# KiCad board corne-chocolate.kicad_pcb (continued)
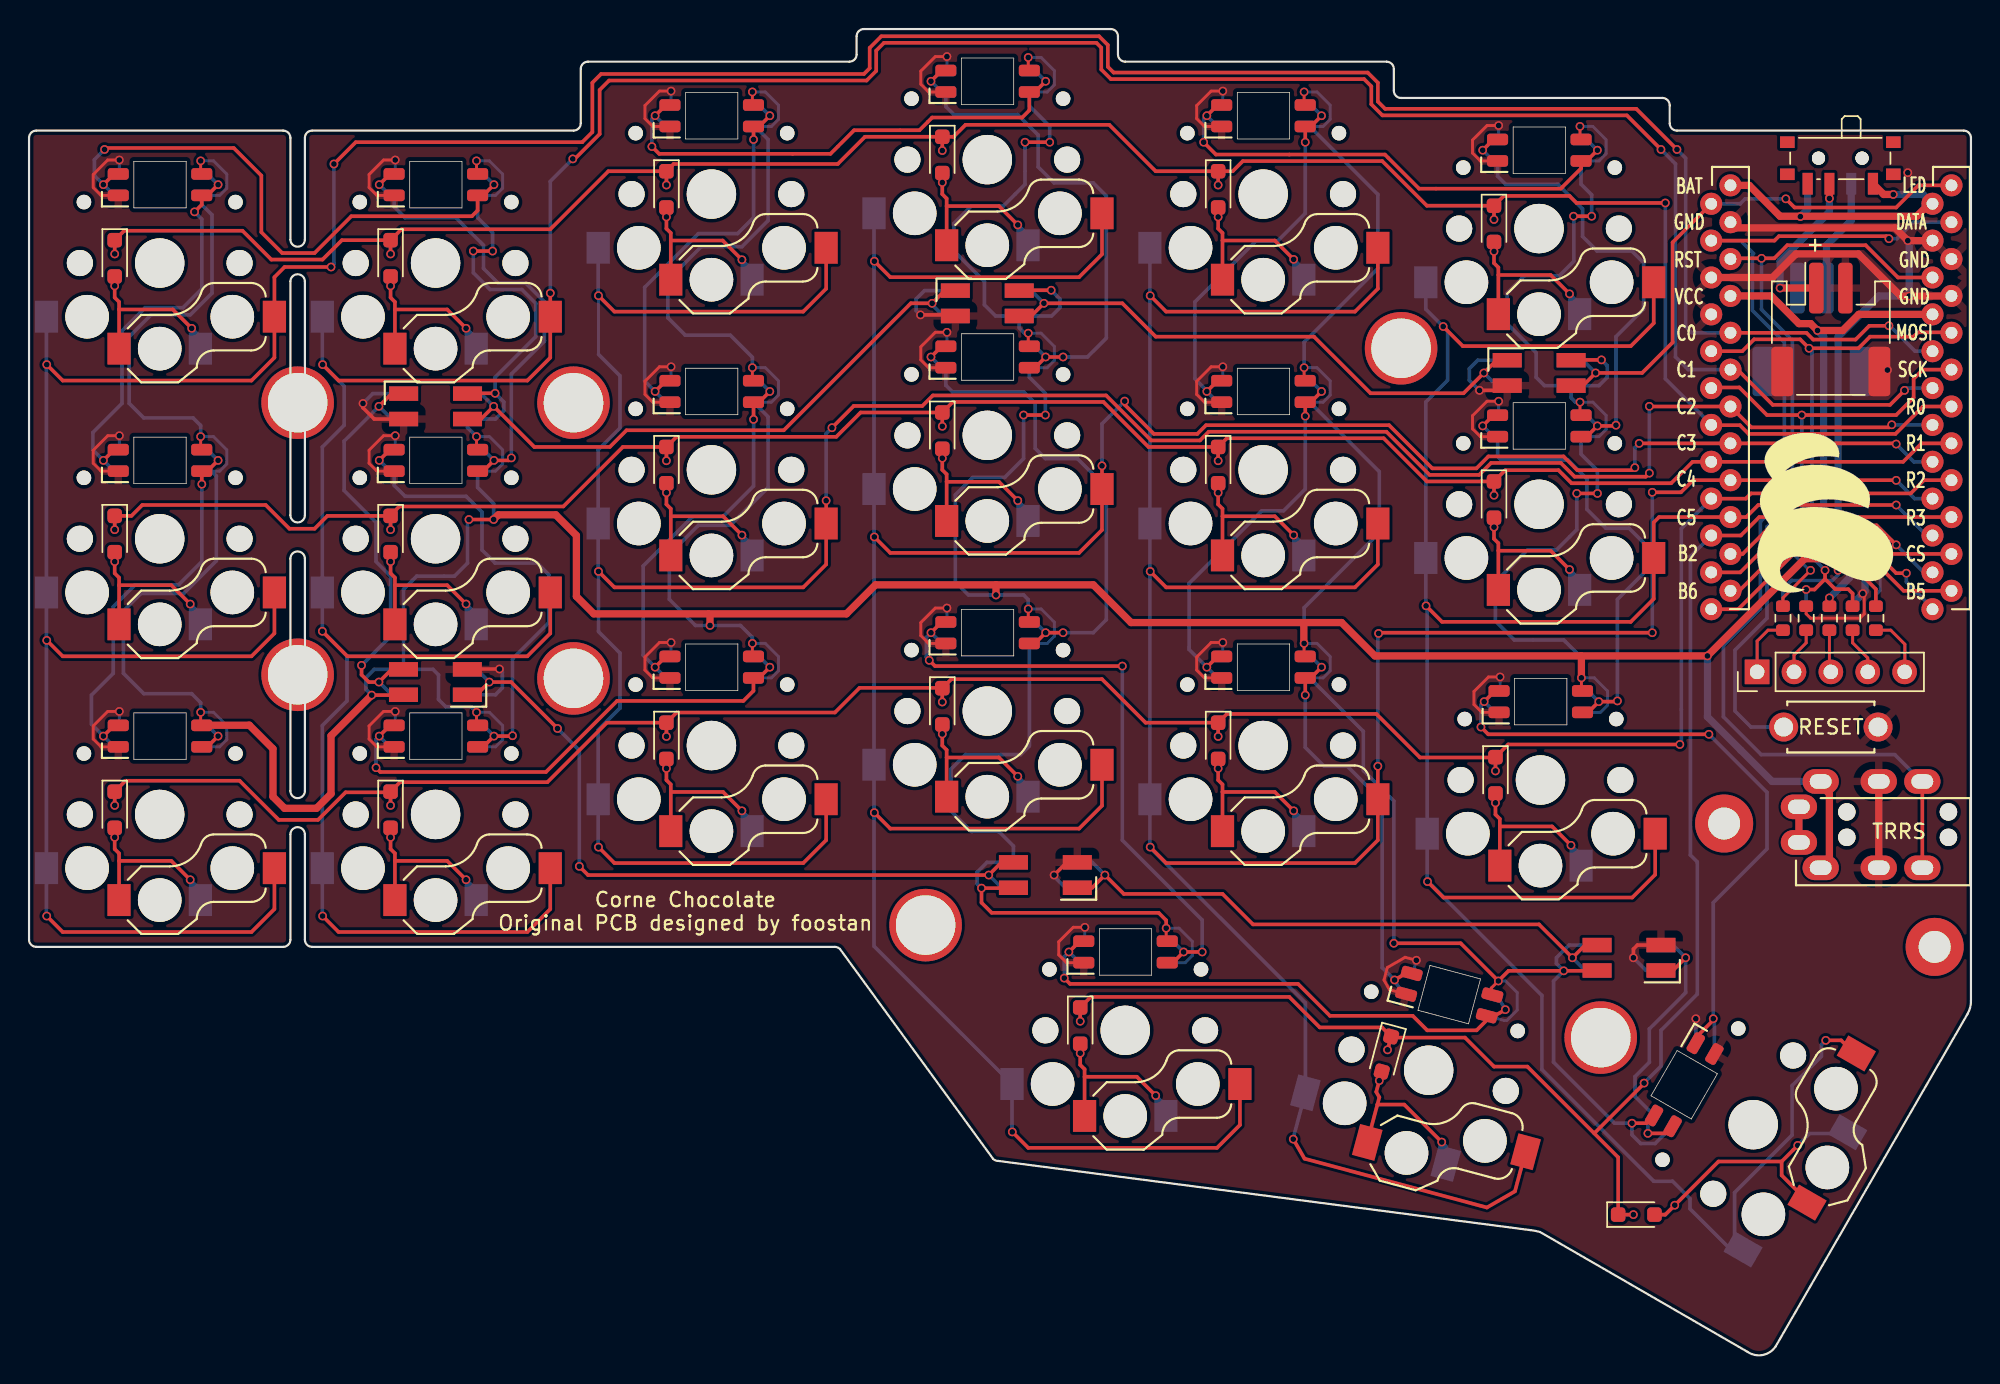
[diagram p0: board, top side]
## Routing (per net, layer and track width the routed paths; a pad name or vN(x,y) marks a point on that pad's centre or on a via; arc(x,y) is an arc through that point) (continued)
  Bottom w0.2: v1(106.82,65.66) 107.71,65.66 108.62,64.75 108.62,63.77 108.13,63.28 106.82,63.28 ; 78.32,27.03 79.63,27.03 80.12,27.52 80.12,28.5 79.21,29.41 v1(78.32,29.41) ; 11.82,60.91 13.13,60.91 13.62,61.4 13.62,62.37 12.71,63.29 v1(11.82,63.29) ; 87.82,84.66 89.13,84.66 89.62,85.15 89.62,86.12 88.71,87.04 v1(87.82,87.04) ; v1(30.82,82.29) 31.71,82.29 32.62,81.37 32.62,80.4 32.13,79.91 30.82,79.91 ; v1(11.82,82.29) 12.71,82.29 13.62,81.37 13.62,80.4 13.13,79.91 LED1.3 ; 11.82,41.91 13.13,41.91 13.62,42.4 13.62,43.37 12.71,44.29 v1(11.82,44.29) ; 68.82,87.03 70.13,87.03 70.62,87.52 70.62,88.5 69.71,89.41 v1(68.82,89.41) ; 106.82,82.28 108.13,82.28 108.62,82.77 108.62,83.75 107.71,84.66 v1(106.82,84.66) ; v1(49.82,49.04) 50.71,49.04 51.62,48.12 51.62,47.15 51.13,46.66 49.82,46.66 ; 49.82,84.66 51.13,84.66 51.62,85.15 51.62,86.12 50.71,87.04 v1(49.82,87.04) ; 100.33,23.39 101.59,23.05 101.79,23.05 102.5,23.77 102.5,24.97 101.7,25.77 v1(101.2,25.77) ; v1(30.82,44.29) 31.71,44.29 32.62,43.37 32.62,42.4 32.13,41.91 30.82,41.91 ; v1(30.82,63.29) 31.71,63.29 32.62,62.37 32.62,61.4 32.13,60.91 30.82,60.91 ; 49.82,65.66 51.13,65.66 51.62,66.15 51.62,67.12 50.71,68.04 v1(49.82,68.04) ; 68.82,68.03 70.13,68.03 70.62,68.52 70.62,69.5 69.71,70.41 v1(68.82,70.41) ; 68.82,49.03 70.13,49.03 70.62,49.52 70.62,50.5 69.71,51.41 v1(68.82,51.41) ; 106.92,44.28 108.23,44.28 108.72,44.77 108.72,45.75 107.81,46.66 v1(106.92,46.66) ; 87.82,65.66 89.13,65.66 89.62,66.15 89.62,67.12 88.71,68.04 v1(87.82,68.04) ; 87.82,46.66 89.13,46.66 89.62,47.15 89.62,48.12 88.71,49.04 v1(87.82,49.04)
  Bottom w0.25: v1(106.6,59.37) 106.6,56.87 105.2,55.47 103.2,55.47 101,53.27 101,50.57 102.3,49.27 105.7,49.27 106.92,48.05 v1(106.92,46.66) ; 87.9,46.66 88.22,46.66 91.9,42.97 91.9,40.27 94,38.17 v1(94,28.37) ; L23.4 66.58,71.6 65.8,72.37 65.8,73.97 63.7,76.07 63.7,77.97 64.9,79.17 67.1,79.17 68.6,80.67 v1(68.6,83.57) ; L23.4 68.2,70.77 68.56,70.41 v1(68.82,70.41) ; L23.4 70.43,71.6 71,72.17 71,72.77 v1(70.4,73.37) ; v1(108.02,59.37) 108.02,60.95 106.9,62.08 LED12.3 ; L24.4 104.38,66.8 103.8,67.37 103.8,69.07 101.8,71.07 101.8,73.17 103,74.37 105.4,74.37 106.4,75.37 106.4,78.45 v1(106.38,78.47) ; L24.4 106.21,65.96 106.51,65.66 v1(106.82,65.66) ; L24.4 108.12,66.8 108.7,67.37 108.7,68.17 v1(108.3,68.57) ; v1(65.6,32.17) 65.3,32.47 65.3,33.27 65.97,33.95 L26.4 67.8,35.07 66.8,36.07 64.9,36.07 63.5,37.47 63.5,40.37 64.5,41.37 68.3,41.37 68.9,41.97 68.9,49.03 68.9,49.03 ; L25.4 27.83,47.25 28.2,46.87 28.2,45.17 28.7,44.67 30.43,44.67 v1(30.82,44.29) ; L25.4 23.78,47.25 23.2,46.67 23.2,45.87 v1(23.6,45.47) ; L25.4 25.79,52.76 26.7,53.67 29.3,53.67 30.2,54.57 30.2,57.47 v1(30.3,57.57) ; 87.9,65.66 88.22,65.66 93,60.87 93,56.67 87.82,51.49 v1(87.82,49.04) ; LED7.3 12.56,60.91 12.9,60.57 12.9,54.72 10.65,52.47 7.7,52.47 6.5,51.27 6.5,46.97 7.9,45.57 11.2,45.57 11.82,44.95 v1(11.82,44.29) ; v1(49.82,49.04) 49.82,49.45 49,50.27 v1(46.9,50.27) 45.9,50.27 44.1,52.07 44.1,55.17 46.1,57.17 48.3,57.17 50.9,59.77 50.9,64.65 49.89,65.66 ; v1(70.3,83.57) 70.3,84.67 68.9,86.08 68.9,87.03 ; v1(70,64.77) 70,66.27 68.9,67.38 68.9,68.03 ; L27.4 106.07,28.25 105.2,27.37 105.2,26.97 v1(105.7,26.47) 105,25.77 105,20.17 109.2,15.97 v1(110.4,15.97) 110.4,15.17 111,14.57 112,14.57 113.19,15.76 LED21.4 ; LED1.3 11.89,79.28 12.6,78.57 12.6,73.17 11.1,71.67 8.4,71.67 6.9,70.17 6.9,65.57 7.9,64.57 11.3,64.57 11.82,64.05 v1(11.82,63.29) ; 87.9,84.66 88.22,84.66 92.9,79.97 92.9,74.87 87.82,69.79 v1(87.82,68.04) ; v1(49.82,68.04) 49.82,68.75 48.3,70.27 45.2,70.27 44,71.47 44,74.07 46.3,76.37 49.1,76.37 50.9,78.17 50.9,83.76 50,84.66 49.89,84.66 ; v1(31.92,76.07) 31.92,77.35 30.89,78.38 LED2.3 ; LED6.3 106.9,80.68 107.62,79.95 v1(107.62,78.47) ; v1(30.82,63.29) 30.2,63.91 L22.4 32.12,64.5 32.7,65.07 32.7,65.67 v1(32.1,66.27) 32.1,67.37 34.9,70.17 34.9,72.47 33.95,73.42 31.75,73.42 30.6,74.57 v1(30.6,76.07) ; v1(32,57.57) 32,58.67 30.89,59.78 LED8.3 ; v1(68.82,51.41) 68.82,52.05 68.5,52.37 64.7,52.37 63.8,53.27 63.8,59.27 65,60.47 67.2,60.47 68.5,61.77 v1(68.5,64.77)
  Bottom w0.5: J1.D 120.05,39.52 115.6,43.97 v1(115.6,48.17) ; v1(123.18,70.6) 123.6,70.18 123.6,56.75 v1(125.4,54.95) 125.4,53.57 v1(124,52.17) 124,51.6
/L0: length 20.4
  Top w0.25: v1(111.5,15.27) 112.9,15.27 113.2,15.57 LED21.3 ; L27.1 113.22,26.5 v1(114.1,27.37)
  Bottom w0.25: L27.1 113.22,28.25 v1(114.1,27.37) 114.1,24.97 111.6,22.47 111.6,20.17 110.61,19.18 110.61,17.81 LED21.3 111.5,16.08 v1(111.5,15.27)
/L1: length 48
  Top w0.25: v1(116,23.17) 116,23.07 114.8,21.87 LED21.1 ; v1(100,43.27) 100.5,42.77 v1(115.7,42.77) ; v1(100.22,45.02) 100.96,45.76 101.32,45.76
  Bottom w0.25: 101.32,44.28 100.96,44.28 v1(100.22,45.02) 100,44.8 v1(100,43.27) ; v1(115.7,42.77) 119.7,38.77 119.7,34.87 116,31.17 v1(116,23.17) 116.08,23.09 LED21.1
/L2: length 33.9
  Top w0.25: v1(109.4,45.07) 109.35,45.02 v1(108.12,45.02) 107.38,44.28 106.92,44.28 ; 101.22,64.76 100.86,64.76 v1(100.12,64.02)
  Bottom w0.25: LED12.2 101.15,61.93 101.4,61.67 106,61.67 107.3,60.37 107.3,58.27 108.6,56.97 110.2,56.97 111.2,55.97 111.2,53.87 109.4,52.07 v1(109.4,45.07) ; v1(100.12,64.02) 100.86,63.28 101.22,63.28 ; v1(108.12,45.02) 107.38,45.76 106.92,45.76
/L3: length 33.8
  Top w0.25: 106.82,63.28 107.28,63.28 v1(108.02,64.02) 109.25,64.02 v1(109.3,64.07) ; v1(100.12,83.02) 100.86,83.76 101.22,83.76
  Bottom w0.25: v1(109.3,64.07) 109.3,70.17 111.2,72.07 111.2,75.27 110.4,76.07 108,76.07 107,77.07 107,78.97 105.3,80.67 101.7,80.67 101.15,81.23 LED6.2 ; v1(100.12,83.02) 100.86,82.28 101.22,82.28 ; v1(108.02,64.02) 107.28,64.76 106.82,64.76
/L4: length 36.2
  Top w0.25: 106.82,82.28 107.28,82.28 v1(108.02,83.02) ; v1(80.9,83.57) 81.75,82.72 93.39,82.72 95.74,80.37 105.5,80.37 106.9,81.77 LED6.4 ; 82.22,86.14 81.86,86.14 v1(81.12,85.4)
  Bottom w0.25: v1(108.02,83.02) 107.28,83.76 106.82,83.76 ; 82.22,84.66 81.86,84.66 v1(81.12,85.4) 80.9,85.18 v1(80.9,83.57)
/L5: length 28.5
  Top w0.25: 87.9,84.66 87.9,84.65 v1(87.9,83.57) ; 82.22,67.14 81.86,67.14 v1(81.12,66.4) ; 87.82,84.66 88.28,84.66 v1(89.02,85.4)
  Bottom w0.25: v1(89.02,85.4) 88.28,86.14 87.82,86.14 ; 82.22,65.66 81.86,65.66 v1(81.12,66.4) 81.12,66.45 80.3,67.27 80.3,72.57 84.5,76.77 86,76.77 87.9,78.67 v1(87.9,83.57)
/L6: length 28.8
  Top w0.25: v1(87.9,64.7) 87.9,65.65 87.9,65.66 ; 87.82,65.66 88.28,65.66 v1(89.02,66.4) ; v1(81.12,47.4) 81.86,48.14 82.22,48.14
  Bottom w0.25: v1(89.02,66.4) 88.28,67.14 87.82,67.14 ; v1(87.9,64.7) 87.9,59.67 86.4,58.17 84.9,58.17 79.9,53.17 79.9,48.62 v1(81.12,47.4) 81.86,46.66 82.22,46.66
/L7: length 30.1
  Top w0.25: v1(87.9,45.47) 87.9,46.65 87.9,46.66 ; 95.3,26.27 94.96,26.37 v1(94.05,25.84) ; 87.82,46.66 88.28,46.66 v1(89.02,47.4)
  Bottom w0.25: v1(89.02,47.4) 88.28,48.14 87.82,48.14 ; 94.92,24.84 94.57,24.94 v1(94.05,25.84) 93.2,26.69 93.2,38.17 90.8,40.57 89.2,40.57 87.9,41.87 v1(87.9,45.47)
/L8: length 38.9
  Top w0.25: v1(71.62,27.77) 72.36,28.51 72.72,28.51 ; LED20.4 100.4,23.07 99.7,22.37 96.3,22.37 95.3,23.37 89.6,23.37 87.4,25.57 71.7,25.57 v1(71.3,25.97) ; v1(101.68,23.8) 100.77,23.27 100.33,23.39
  Bottom w0.25: 72.72,27.03 72.36,27.03 v1(71.62,27.77) 71.3,27.45 v1(71.3,25.97) ; 100.71,24.82 101.16,24.7 v1(101.68,23.8)
/L9: length 44.7
  Top w0.25: v1(62,47.87) 62.4,47.47 v1(75.3,47.47) ; v1(62.12,49.77) 62.86,50.51 63.22,50.51 ; 78.32,27.03 78.78,27.03 v1(79.52,27.77) v1(80.8,27.77)
  Bottom w0.25: v1(62,47.87) 61.8,48.07 61.8,49.45 v1(62.12,49.77) 62.86,49.03 63.22,49.03 ; 78.32,28.51 78.78,28.51 v1(79.52,27.77) ; v1(75.3,47.47) 75.3,35.47 80.8,29.97 v1(80.8,27.77)
/L10: length 36.5
  Top w0.25: 63.22,69.51 62.86,69.51 v1(62.12,68.77) ; 68.82,49.03 69.28,49.03 v1(70.02,49.77) v1(71.22,49.77)
  Bottom w0.25: 68.82,50.51 69.28,50.51 v1(70.02,49.77) ; LED10.2 63.14,66.82 63.16,66.82 63.6,66.37 68.5,66.37 69.3,65.57 69.3,62.47 70,61.77 72.2,61.77 74.2,59.77 74.2,50.67 73.3,49.77 v1(71.22,49.77) ; 63.22,68.03 62.86,68.03 v1(62.12,68.77)
/L11: length 36.2
  Top w0.25: v1(71.22,68.77) v1(70.02,68.77) 69.28,68.03 68.82,68.03 ; 63.22,88.51 62.86,88.51 v1(62.12,87.77)
  Bottom w0.25: v1(70.02,68.77) 69.28,69.51 68.82,69.51 ; LED4.2 63.14,86.03 63.7,85.47 68.1,85.47 69.5,84.07 69.5,81.87 70.6,80.77 73.3,80.77 74.2,79.87 74.2,70.07 72.9,68.77 v1(71.22,68.77) ; 63.22,87.03 62.86,87.03 v1(62.12,87.77)
/L12: length 36.7
  Top w0.25: 68.82,87.03 69.28,87.03 v1(70.02,87.77) ; v1(42.9,83.27) 43.4,82.77 55.2,82.77 56.83,84.4 61.33,84.4 62.2,85.27 68.4,85.27 68.9,85.77 68.9,87.03 ; v1(43.12,85.4) 43.86,86.14 44.22,86.14
  Bottom w0.25: 44.22,84.66 43.86,84.66 v1(43.12,85.4) 42.9,85.18 v1(42.9,83.27) ; 68.82,88.51 69.28,88.51 v1(70.02,87.77)
/L13: length 29.1
  Top w0.25: 49.82,84.66 50.28,84.66 v1(51.02,85.4) ; v1(49.9,83.76) 49.9,84.65 49.89,84.66 ; 44.22,67.14 43.86,67.14 v1(43.12,66.4)
  Bottom w0.25: v1(49.9,83.76) 49.9,78.37 48.8,77.27 46.1,77.27 42.4,73.57 42.4,67.12 v1(43.12,66.4) 43.86,65.66 44.22,65.66 ; v1(51.02,85.4) 50.28,86.14 49.82,86.14
/L14: length 28.8
  Top w0.25: v1(43.12,47.4) 43.86,48.14 44.22,48.14 ; v1(49.9,64.47) 49.9,65.65 49.89,65.66 ; v1(51.02,66.4) 50.28,65.66 49.82,65.66
  Bottom w0.25: v1(49.9,64.47) 49.9,59.87 47.8,57.77 45.7,57.77 42.3,54.37 42.3,48.22 v1(43.12,47.4) 43.86,46.66 44.22,46.66 ; 49.82,67.14 50.28,67.14 v1(51.02,66.4)
/L15: length 37.4
  Top w0.25: 49.89,46.66 49.89,45.77 49.2,45.07 40.5,45.07 35.6,40.17 24.2,40.17 v1(23.9,40.47) ; 25.22,43.39 24.86,43.39 v1(24.12,42.65) ; v1(51.02,47.4) 50.28,46.66 49.82,46.66
  Bottom w0.25: 25.22,41.91 24.86,41.91 v1(24.12,42.65) 23.9,42.43 v1(23.9,40.47) ; 49.82,48.14 50.28,48.14 v1(51.02,47.4)
/L16: length 35
  Top w0.25: 30.82,41.91 31.28,41.91 v1(32.02,42.65) 33.28,42.65 v1(33.3,42.67) ; 25.22,62.39 24.86,62.39 v1(24.12,61.65)
  Bottom w0.25: v1(32.02,42.65) 31.28,43.39 30.82,43.39 ; 25.22,60.91 24.86,60.91 v1(24.12,61.65) ; v1(33.3,42.67) 33.3,47.97 35.8,50.47 35.8,53.77 35,54.57 32.1,54.57 31.2,55.47 31.2,58.07 30.1,59.17 25.9,59.17 25.14,59.92 LED8.2
/L17: length 33.6
  Top w0.25: 30.82,60.91 31.28,60.91 v1(32.02,61.65) 33.05,61.65 v1(33.22,61.82) ; v1(24.12,80.65) 24.86,81.39 25.22,81.39
  Bottom w0.25: v1(24.12,80.65) 24.86,79.91 25.22,79.91 ; v1(32.02,61.65) 31.28,62.39 30.82,62.39 ; LED2.2 25.14,79.13 25.9,78.37 29.4,78.37 31.3,76.47 31.3,74.87 32.3,73.87 34.2,73.87 35.5,72.57 35.5,69.87 33.22,67.59 v1(33.22,61.82)
/L18: length 42.1
  Top w0.25: v1(5.2,83.07) 5.3,83.17 14.1,83.17 16,81.27 16,77.37 17.44,75.93 19.66,75.93 22.2,78.47 30.5,78.47 30.89,78.87 LED2.4 ; v1(32.02,80.65) 31.28,79.91 30.82,79.91 ; v1(5.12,80.65) 5.86,81.39 6.22,81.39
  Bottom w0.25: 30.82,81.39 31.28,81.39 v1(32.02,80.65) ; v1(5.2,83.07) 4.5,82.37 4.5,81.27 v1(5.12,80.65) 5.86,79.91 6.22,79.91
/L19: length 29.4
  Top w0.25: v1(11.4,78.77) 11.89,79.27 LED1.4 ; 6.22,62.39 5.86,62.39 v1(5.12,61.65) ; 11.82,79.91 12.28,79.91 v1(13.02,80.65)
  Bottom w0.25: v1(13.02,80.65) 12.28,81.39 11.82,81.39 ; v1(11.4,78.77) 11.9,78.27 11.9,73.47 10.6,72.17 8,72.17 6.4,70.57 6.4,65.57 4.4,63.57 4.4,62.37 v1(5.12,61.65) 5.86,60.91 6.22,60.91
/L20: length 29.3
  Top w0.25: v1(5.12,42.65) 5.86,43.39 6.22,43.39 ; v1(11.9,60.01) 11.89,60.01 LED7.4 ; 11.82,60.91 12.28,60.91 v1(13.02,61.65)
  Bottom w0.25: 6.22,41.91 5.86,41.91 v1(5.12,42.65) 4.3,43.47 4.3,45.47 5.8,46.97 5.8,51.57 7.3,53.07 10.3,53.07 11.9,54.67 v1(11.9,60.01) ; 11.82,62.39 12.28,62.39 v1(13.02,61.65)
/SwitchUnit13/dout: length 3
  Top w0.25: v1(13.02,42.65) 12.28,41.91 11.82,41.91
  Bottom w0.25: 11.82,43.39 12.28,43.39 v1(13.02,42.65)
col0: length 249
  Top w0.25: v1(128.1,70.92) 126.75,70.92 125.8,69.97 122.88,69.97 122.42,70.44 U1.20 ; v1(113.5,83.07) 110.7,85.87 93.4,85.87 92.9,86.37 92.9,87.67 92.2,88.37 74.7,88.37 74.3,88.77 74.3,90.27 73.7,90.87 58.7,90.87 57.9,90.07 57.9,88.67 57.5,88.27 39.4,88.27 38.8,87.67 38.8,84.27 38.1,83.57 22.5,83.57 v1(21,82.07) ; v1(1.22,30.25) 2.32,29.15 15.32,29.15 16.9,30.73 SW13.1 ; SW7.1 16.9,49.73 15.32,48.15 2.32,48.15 v1(1.22,49.25) ; v1(1.22,68.25) 2.32,67.15 15.32,67.15 16.9,68.73 SW1.1 16.9,74.27 17.6,74.97 v1(20.8,74.97)
  Bottom w0.2: v1(1.22,49.25) 1.2,49.23 ; v1(1.22,68.25) 1.2,68.23
  Bottom w0.25: 1.2,68.23 SW7.1 1.2,49.27 v1(1.22,49.25) ; v1(1.22,30.25) 1.2,30.27 SW13.1 1.2,49.23 ; SW1.1 1.2,68.27 v1(1.22,68.25) ; v1(128.1,70.92) 128.15,70.92 129.9,69.17 U1.20 ; v1(21,82.07) 21,75.17 v1(20.8,74.97) ; U1.20 114.53,70.44 114.1,70.87 114.1,82.47 v1(113.5,83.07)
col1: length 234.4
  Top w0.25: v1(37.45,82.42) 37.59,82.42 39.3,84.14 39.3,87.17 39.95,87.82 57.69,87.82 58.35,88.49 58.35,89.89 58.89,90.42 73.51,90.42 73.85,90.09 73.85,88.59 74.51,87.92 91.95,87.92 92.45,87.42 92.45,86.19 93.21,85.42 110.05,85.42 v1(112.4,83.07) ; v1(35.9,73.17) SW2.1 35.9,68.73 34.32,67.15 21.32,67.15 v1(20.22,68.25) ; v1(20.2,49.87) 21.92,48.15 34.32,48.15 35.9,49.73 SW8.1 ; SW14.1 35.9,30.73 34.32,29.15 21.32,29.15 v1(20.22,30.25) ; v1(129.18,66.47) 128.18,65.47 120.1,65.47 117.67,67.9 U1.19
  Bottom w0.25: SW2.1 20.2,68.27 v1(20.22,68.25) 21.7,66.77 21.7,64.07 20.2,62.57 SW8.1 v1(20.2,49.87) 21.9,48.17 21.9,45.07 20.2,43.37 SW14.1 20.2,30.27 v1(20.22,30.25) ; v1(35.9,73.17) 35.9,80.87 v1(37.45,82.42) ; U1.19 114.27,67.9 113.4,68.77 113.4,82.07 v1(112.4,83.07) ; U1.19 129.33,66.63 v1(129.18,66.47)
col2: length 195
  Top w0.25: v1(55.3,63.9) 56.8,65.4 61.53,65.4 62.25,66.12 74.19,66.12 77.29,63.02 80.65,63.02 81.25,63.62 93.49,63.62 96.46,60.65 99.88,60.65 100.7,61.47 105.5,61.47 106.45,60.52 111.35,60.52 v1(111.6,60.77) ; v1(39.22,54) 40.32,52.9 53.32,52.9 54.9,54.48 SW9.1 v1(54.9,58.87) ; v1(39.22,73) 40.32,71.9 53.32,71.9 54.9,73.48 SW3.1 ; v1(128.3,64.1) 128.12,63.92 118.62,63.92 U1.18 111.61,65.36 v1(111.6,65.37) ; v1(39.22,35) 40.32,33.9 53.32,33.9 54.9,35.48 SW15.1
  Bottom w0.2: v1(39.22,73) 39.22,68.95
  Bottom w0.25: v1(111.6,65.37) v1(111.6,60.77) ; 39.22,68.95 40.7,67.47 40.7,63.87 39.2,62.37 SW9.1 39.2,54.02 v1(39.22,54) 39.22,49.85 40.7,48.37 40.7,44.57 39.2,43.07 SW15.1 39.2,35.02 v1(39.22,35) ; v1(55.3,63.9) 54.9,63.5 v1(54.9,58.87) ; v1(39.22,73) 39.2,73.02 SW3.1 ; U1.18 128.31,64.09 v1(128.3,64.1)
col3: length 213.5
  Top w0.25: v1(67.72,15.37) 68.82,14.27 81.82,14.27 83.4,15.85 SW19.1 ; v1(110.6,61.15) 110.43,60.97 106.64,60.97 105.69,61.92 100.51,61.92 99.69,61.1 96.65,61.1 93.67,64.07 81.06,64.07 80.46,63.47 77.47,63.47 75.46,65.48 v1(75.46,65.73) ; v1(73.9,61.27) SW10.1 73.9,56.85 72.32,55.27 59.32,55.27 v1(58.22,56.37) ; v1(58.22,75.37) 59.32,74.27 72.32,74.27 73.9,75.85 SW4.1 ; SW16.1 73.9,37.85 72.32,36.27 59.32,36.27 v1(58.22,37.37) ; v1(128.6,62.77) 128.55,62.82 U1.17 v1(110.9,62.82)
  Bottom w0.2: v1(58.22,37.37) 58.2,37.35 ; v1(58.22,56.37) 58.2,56.35 ; v1(58.22,75.37) 58.2,75.35
  Bottom w0.25: v1(75.46,65.73) 73.9,64.17 v1(73.9,61.27) ; v1(128.6,62.77) 129.82,61.55 U1.17 ; 58.2,75.35 SW10.1 58.2,56.39 v1(58.22,56.37) ; 58.2,56.35 SW16.1 58.2,37.39 v1(58.22,37.37) ; 58.2,37.35 58.2,28.17 SW19.1 67.7,15.39 v1(67.72,15.37) ; v1(110.6,61.15) 110.6,62.52 v1(110.9,62.82) ; v1(58.22,75.37) 58.2,75.39 SW4.1
col4: length 204.6
  Top w0.25: SW20.1 102.34,11.28 100.41,10.16 87.85,13.53 v1(87.07,14.87) ; v1(128.6,60.27) 128.59,60.28 U1.16 114.61,60.28 113.78,59.45 v1(111.8,59.45) ; SW11.1 92.9,54.48 91.32,52.9 78.32,52.9 v1(77.22,54) ; v1(92.95,49.72) 93,49.77 v1(111.8,49.77) ; SW5.1 92.9,73.48 91.32,71.9 78.32,71.9 v1(77.22,73) ; v1(92.9,40.57) SW17.1 92.9,35.48 91.32,33.9 78.32,33.9 v1(77.22,35)
  Bottom w0.2: v1(77.22,73) 77.2,72.98 ; v1(77.22,35) 77.22,34.95 ; v1(77.22,54) 77.2,53.98
  Bottom w0.25: v1(77.22,35) 77.2,35.02 SW17.1 77.2,53.98 ; v1(77.22,73) 77.2,73.02 SW5.1 ; 77.2,72.98 SW11.1 77.2,54.02 v1(77.22,54) ; v1(128.6,60.27) 129.86,59.01 U1.16 ; v1(87.07,14.87) 87.06,14.9 SW20.1 87.91,24.26 77.22,34.95 ; v1(92.9,40.57) 92.9,49.67 v1(92.95,49.72) ; v1(111.8,59.45) v1(111.8,49.77)
col5: length 178.7
  Top w0.25: v1(96.22,51.62) 97.32,50.52 110.32,50.52 111.9,52.1 SW12.1 111.9,57.37 112.27,57.74 U1.15 118.27,57.74 119.1,58.57 v1(128.6,58.57) ; v1(97.4,70.87) 98.75,69.52 110.32,69.52 111.9,71.1 SW6.1 ; v1(123.75,21.68) 124.81,21.68 125.8,20.69 ; SW18.1 112,33.1 110.42,31.52 97.42,31.52 v1(96.32,32.62)
  Bottom w0.2: v1(96.22,51.62) 96.3,51.54
  Bottom w0.25: U1.15 130.7,56.47 v1(128.6,58.57) ; v1(96.22,51.62) 96.2,51.64 SW12.1 96.2,65.67 97.7,67.17 97.7,70.57 v1(97.4,70.87) 96.2,72.07 SW6.1 ; SW21.1 117.2,7.27 114.4,10.07 114.4,10.77 113.2,11.97 111.9,11.97 104.2,19.67 104.2,24.77 96.35,32.62 v1(96.32,32.62) 96.3,32.64 SW18.1 96.3,51.54 ; 118.1,7.35 117.47,7.99 117.47,11.19 121.43,15.15 121.43,18.56 123.45,20.58 123.45,21.38 v1(123.75,21.68)
CS: length 29.3
  Top w0.2: v1(122.7,54.07) 120.8,52.17 120.8,51.6
  Top w0.25: U1.11 128.17,55.2 126.7,56.67 120.6,56.67 117.86,53.93 U1.11
  Bottom w0.2: v1(120.32,56.37) 122.62,54.07 v1(122.7,54.07) ; 127.2,51.6 127.2,52.37 127.5,52.67 127.5,55.89 v1(127.52,55.91)
data: length 76.6
  Top w0.25: U1.2 120.22,76.79 120.53,77.1 127.93,77.1 v1(128.1,76.92) ; J1.B J1.B
  Bottom w0.25: U1.2 117.88,76.79 118.77,75.9 118.7,75.83 118.7,71.97 120.9,69.77 120.9,59.07 119.25,57.42 119.25,51.42 116.7,48.87 116.7,43.97 119.3,41.37 128.5,41.37 130.35,39.52 J1.B ; v1(128.1,76.92) 128.65,76.92 129.79,78.06 U1.2
LED: length 38.5
  Top w0.25: v1(121,79.67) 121.6,79.07 128.6,79.07 130.13,80.6 U1.1 ; L24.3 107.03,66.8 v1(107.9,67.67) 111.1,67.67 113.2,69.77 113.2,76.67 U1.1
  Bottom w0.25: U1.1 117.86,79.33 118.2,79.67 v1(121,79.67) ; L24.3 107.03,68.55 v1(107.9,67.67)
MOSI: length 43.7
  Top w0.25: U1.5 132.37,70.47 130.1,70.47 129.8,70.17 126.8,70.17 126,69.37 v1(122.6,69.37) 121.98,69.99 118.82,69.99 118,69.17 U1.5 ; 127.2,51.6 127.2,52.77 125.9,54.07 v1(124.6,54.07)
  Bottom w0.25: 120.8,51.6 120.8,52.77 121.4,53.37 124.2,53.37 124.6,53.77 v1(124.6,54.07) 122.8,55.87 122.8,69.17 v1(122.6,69.37)
reset: length 52.8
  Top w0.25: U1.22 128.72,74.25 126.5,76.47 121.1,76.47 120.2,75.57 v1(119.32,75.57) 117.24,75.57 U1.22
  Bottom w0.25: SW22.1 118.6,43.27 117.5,44.37 117.5,48.57 119.7,50.77 119.7,57.07 121.45,58.82 121.45,69.92 119.32,72.05 v1(119.32,75.57)
row0: length 160.7
  Top w0.25: D37.1 v1(81.9,80.62) ; D37.1 82.9,81.57 83.6,82.27 93.2,82.27 96.28,79.2 D43.1 ; D37.1 77.6,81.57 74.4,84.77 64.5,84.77 63.67,83.95 D3.1 ; D22.1 25.65,77.57 35.9,77.57 39.9,81.57 D28.1 ; D22.1 21.55,76.82 20.21,75.48 16.69,75.48 14.7,77.47 6.55,77.47 D1.1 v1(5.9,75.87) ; D22.1 v1(24.9,75.87) ; D3.1 v1(62.9,83) ; D3.1 57.58,83.95 55.7,82.07 44.4,82.07 D28.1 ; D28.1 v1(43.9,80.62) ; D43.1 101.57,79.87 106.1,79.87 106.59,79.39 v1(112.7,79.39) ; D43.1 v1(100.9,78.25) ; U1.7 115.88,64.07 117.84,64.07 118.44,63.47 128.55,63.47 130.44,65.36 U1.7
  Bottom w0.25: v1(81.9,80.62) D37.1 ; v1(62.9,83) D3.1 ; v1(43.9,80.62) D28.1 ; v1(24.9,75.87) D22.1 ; v1(5.9,75.87) D1.1 ; U1.7 115.86,64.11 112.7,67.27 v1(112.7,79.39) ; v1(100.9,78.25) D43.1
row1: length 147.1
  Top w0.25: D45.1 v1(100.9,59.25) ; D45.1 96.28,60.2 93.3,63.17 82.5,63.17 D39.1 ; D45.1 101.68,60.97 105.34,60.97 106.24,60.07 113.1,60.07 114.58,61.55 U1.8 129.08,61.55 130.35,62.82 U1.8 ; D15.1 57.28,64.95 55.6,63.27 44.6,63.27 D30.1 ; D15.1 v1(62.9,64) ; D15.1 63.62,65.67 74,65.67 77.1,62.57 D39.1 ; D39.1 v1(81.9,61.62) ; v1(5.9,56.87) D24.1 7.05,57.82 7.8,58.57 16.3,58.57 17.93,56.94 19.67,56.94 20.55,57.82 D8.1 ; D30.1 v1(43.9,61.62) ; D30.1 40.9,62.57 36.8,58.47 25.5,58.47 24.9,57.87 D8.1 ; D8.1 v1(24.9,56.87)
  Bottom w0.25: v1(43.9,61.62) D30.1 ; v1(100.9,59.25) D45.1 ; v1(5.9,56.87) D24.1 ; v1(62.9,64) D15.1 ; v1(24.9,56.87) D8.1 ; v1(81.9,61.62) D39.1
row2: length 162.7
  Top w0.25: D35.1 v1(62.9,45) ; D35.1 62.88,45.97 57.2,45.97 55.5,44.27 44.6,44.27 D32.1 ; D35.1 63.53,46.57 73.9,46.57 76.9,43.57 D41.1 ; v1(5.9,37.87) D7.1 6.65,39.57 14.5,39.57 17.2,36.87 19.9,36.87 21.8,38.77 24.85,38.77 D14.1 ; D47.1 100.97,41.17 95.8,41.17 92.8,44.17 82.5,44.17 D41.1 ; D47.1 v1(101,40.25) ; D47.1 101.88,42.07 v1(113.7,42.07) ; U1.9 118.24,59.01 118.6,59.37 129.6,59.37 130.51,60.28 U1.9 ; D41.1 v1(81.9,42.62) ; D14.1 25.55,39.47 35.7,39.47 39.8,43.57 D32.1 ; D14.1 v1(24.9,37.87) ; D32.1 v1(43.9,42.62)
  Bottom w0.25: v1(81.9,42.62) D41.1 ; v1(5.9,37.87) D7.1 ; v1(113.7,42.07) 113.8,42.17 113.8,56.95 U1.9 ; v1(43.9,42.62) D32.1 ; v1(62.9,45) D35.1 ; v1(24.9,37.87) D14.1 ; v1(101,40.25) D47.1
row3: length 113.8
  Top w0.25: U1.10 119.17,57.74 117.9,56.47 U1.10 ; v1(111.24,18.74) 111.24,18.71 107.8,15.27 ; v1(110.5,9.67) D21.1 109.45,13.62 103.2,19.87 100.9,19.87 98.9,21.87 93.89,21.87 D6.1 ; D6.1 93.19,22.57 88.9,22.57 86.8,24.67 73.12,24.67 D4.1 v1(72.4,23) ; D6.1 v1(93.57,21.03)
  Bottom w0.25: v1(72.4,23) D4.1 ; U1.10 114.43,55.03 114.43,34.45 114.9,33.97 114.9,24.87 112.4,22.37 112.4,19.9 v1(111.24,18.74) ; D21.1 v1(110.5,9.67) ; v1(93.57,21.03) D6.1
SCK: length 37.3
  Top w0.25: 125.6,51.6 125.6,52.47 125.3,52.77 124.4,52.77 123.7,53.47 ; U1.6 130.43,67.9 129.8,67.27 129.8,65.97 128.6,64.77 v1(122.1,64.77) 119.7,64.77 117.8,66.67 115.9,66.67 U1.6 ; 123.7,53.47 v1(123.7,54.07) ; 123.7,53.47 122.98,52.75 v1(122.4,52.75)
  Bottom w0.25: v1(122.4,52.75) 122.4,51.6 ; v1(123.7,54.07) 122.1,55.67 v1(122.1,64.77)
Net-(D1-A): length 12.9
  Top w0.25: v1(11.2,70.75) 9.9,72.05 6.2,72.05 ; 6.2,72.05 6.2,72.57 5.9,72.87 v1(5.9,73.67) D1.2 ; 6.2,72.05 SW1.2
  Bottom w0.25: v1(5.9,73.67) D1.2 ; v1(11.2,70.75) 11.8,70.15 SW1.2
Net-(D3-A): length 12.9
  Top w0.25: v1(68.1,77.87) 66.8,79.17 63.2,79.17 ; 63.2,79.17 SW4.2 ; 63.2,79.17 63.2,79.69 62.9,79.99 v1(62.9,80.8) D3.2
  Bottom w0.25: v1(62.9,80.8) D3.2 ; SW4.2 68.8,77.17 v1(68.1,77.87)
Net-(D4-A): length 12.9
  Top w0.25: D4.2 v1(72.4,20.8) 72.4,19.99 72.7,19.69 72.7,19.17 ; v1(77.6,17.87) 76.3,19.17 72.7,19.17 ; 72.7,19.17 SW19.2
  Bottom w0.25: SW19.2 78.3,17.17 v1(77.6,17.87) ; v1(72.4,20.8) D4.2
Net-(D10-A): length 12.8
  Top w0.25: 92.87,17.26 93,17.76 92.79,18.13 v1(93,18.9) D6.2 ; 92.87,17.26 94.72,17.26 v1(97.3,14.67) ; 92.87,17.26 SW20.2
  Bottom w0.25: v1(97.3,14.67) 97.58,14.39 SW20.2 ; v1(93,18.9) D6.2
Net-(D11-A): length 20.7
  Top w0.25: 122.51,10.58 120.71,12.38 120.71,13.33 ; v1(121.82,14.44) 120.71,13.33 ; 120.71,13.33 116.36,13.33 112.7,9.67 D21.2
  Bottom w0.25: v1(121.82,14.44) 122.64,15.26 125.21,15.26 ; v1(113.35,10.32) 112.7,9.67 D21.2
Net-(D13-A): length 12.9
  Top w0.25: D8.2 v1(24.9,54.67) 24.9,53.87 25.2,53.57 25.2,53.05 ; 25.2,53.05 SW8.2 ; 25.2,53.05 28.8,53.05 v1(30.1,51.75)
  Bottom w0.25: v1(30.1,51.75) 30.8,51.05 SW8.2 ; v1(24.9,54.67) D8.2
Net-(D14-A): length 12.9
  Top w0.25: 25.2,34.05 SW14.2 ; 25.2,34.05 25.2,34.57 24.9,34.87 v1(24.9,35.67) D14.2 ; 25.2,34.05 28.8,34.05 v1(30.1,32.75)
  Bottom w0.25: v1(30.1,32.75) 30.8,32.05 SW14.2 ; v1(24.9,35.67) D14.2
Net-(D15-A): length 12.9
  Top w0.25: v1(68.1,58.87) 66.8,60.17 63.2,60.17 ; 63.2,60.17 63.2,60.69 62.9,60.99 v1(62.9,61.8) D15.2 ; 63.2,60.17 SW10.2
  Bottom w0.25: SW10.2 68.8,58.17 v1(68.1,58.87) ; v1(62.9,61.8) D15.2
Net-(D22-A): length 12.9
  Top w0.25: v1(30.1,70.75) 28.8,72.05 25.2,72.05 ; 25.2,72.05 SW2.2 ; 25.2,72.05 25.2,72.57 24.9,72.87 v1(24.9,73.67) D22.2
  Bottom w0.25: v1(30.1,70.75) 30.8,70.05 SW2.2 ; v1(24.9,73.67) D22.2
Net-(D24-A): length 12.9
  Top w0.25: v1(11.1,51.75) 9.8,53.05 6.2,53.05 ; 6.2,53.05 6.2,53.57 5.9,53.87 v1(5.9,54.67) D24.2 ; 6.2,53.05 SW7.2
  Bottom w0.25: v1(5.9,54.67) D24.2 ; v1(11.1,51.75) 11.8,51.05 SW7.2
Net-(D26-A): length 12.9
  Top w0.25: v1(11.1,32.75) 9.8,34.05 6.2,34.05 ; D7.2 v1(5.9,35.67) 5.9,34.87 6.2,34.57 6.2,34.05 ; 6.2,34.05 SW13.2
  Bottom w0.25: v1(5.9,35.67) D7.2 ; SW13.2 11.8,32.05 v1(11.1,32.75)
Net-(D28-A): length 12.9
  Top w0.25: 44.2,76.8 44.2,77.32 43.9,77.62 v1(43.9,78.42) D28.2 ; 44.2,76.8 SW3.2 ; 44.2,76.8 47.78,76.8 v1(49.1,75.47)
  Bottom w0.25: v1(43.9,78.42) D28.2 ; v1(49.1,75.47) 49.8,74.77 SW3.2
Net-(D30-A): length 12.9
  Top w0.25: 44.2,57.8 44.2,58.32 43.9,58.62 v1(43.9,59.42) D30.2 ; 44.2,57.8 47.8,57.8 v1(49.1,56.5) ; 44.2,57.8 SW9.2
  Bottom w0.25: SW9.2 49.8,55.8 v1(49.1,56.5) ; v1(43.9,59.42) D30.2
Net-(D32-A): length 12.9
  Top w0.25: 44.2,38.8 44.2,39.32 43.9,39.62 v1(43.9,40.42) D32.2 ; 44.2,38.8 47.8,38.8 v1(49.1,37.5) ; 44.2,38.8 SW15.2
  Bottom w0.25: v1(43.9,40.42) D32.2 ; SW15.2 49.8,36.8 v1(49.1,37.5)
Net-(D35-A): length 12.9
  Top w0.25: 63.2,41.17 SW16.2 ; 63.2,41.17 63.2,41.69 62.9,41.99 v1(62.9,42.8) D35.2 ; 63.2,41.17 66.8,41.17 v1(68.1,39.87)
  Bottom w0.25: v1(68.1,39.87) 68.8,39.17 SW16.2 ; v1(62.9,42.8) D35.2
Net-(D37-A): length 12.9
  Top w0.25: v1(87.1,75.5) 85.8,76.8 82.2,76.8 ; 82.2,76.8 82.2,77.32 81.9,77.62 v1(81.9,78.42) D37.2 ; 82.2,76.8 SW5.2
  Bottom w0.25: v1(81.9,78.42) D37.2 ; v1(87.1,75.5) 87.8,74.8 SW5.2
Net-(D39-A): length 12.9
  Top w0.25: D39.2 v1(81.9,59.42) 81.9,58.62 82.2,58.32 82.2,57.8 ; 82.2,57.8 SW11.2 ; 82.2,57.8 85.8,57.8 v1(87.1,56.5)
  Bottom w0.25: SW11.2 87.8,55.8 v1(87.1,56.5) ; v1(81.9,59.42) D39.2
Net-(D41-A): length 12.9
  Top w0.25: 82.2,38.8 85.8,38.8 v1(87.1,37.5) ; 82.2,38.8 SW17.2 ; 82.2,38.8 82.2,39.32 81.9,39.62 v1(81.9,40.42) D41.2
  Bottom w0.25: SW17.2 87.8,36.8 v1(87.1,37.5) ; v1(81.9,40.42) D41.2
Net-(D43-A): length 12.9
  Top w0.25: 101.2,74.42 101.2,74.94 100.9,75.24 v1(100.9,76.05) D43.2 ; 101.2,74.42 SW6.2 ; 101.2,74.42 104.8,74.42 v1(106.1,73.12)
  Bottom w0.25: SW6.2 106.8,72.42 v1(106.1,73.12) ; v1(100.9,76.05) D43.2
Net-(D45-A): length 12.9
  Top w0.25: 101.2,55.42 101.2,55.94 100.9,56.24 v1(100.9,57.05) D45.2 ; 101.2,55.42 SW12.2 ; 101.2,55.42 104.8,55.42 v1(106.1,54.12)
  Bottom w0.25: v1(106.1,54.12) 106.8,53.42 SW12.2 ; v1(100.9,57.05) D45.2
Net-(D47-A): length 12.9
  Top w0.25: 101.3,36.42 SW18.2 ; 101.3,36.42 101.3,36.94 101,37.24 v1(101,38.05) D47.2 ; 101.3,36.42 104.9,36.42 v1(106.2,35.12)
  Bottom w0.25: v1(101,38.05) D47.2 ; v1(106.2,35.12) 106.9,34.42 SW18.2
Net-(J2-Pin_1): length 8.4
  Top w0.2: JP2.1 119.78,49.95 119.02,49.19 J2.1
  Bottom w0.2: J2.1 119.02,49.19 119.78,49.95 JP2.1
Net-(J2-Pin_2): length 6.4
  Top w0.2: J2.2 121.56,48.23 122.4,49.07 JP3.1
  Bottom w0.2: J2.2 121.56,48.23 122.4,49.07 JP3.1
Net-(J2-Pin_3): length 5.8
  Top w0.2: J2.3 124,47.17 JP4.1
  Bottom w0.2: JP4.1 124,47.17 J2.3
Net-(J2-Pin_4): length 6.6
  Top w0.2: J2.4 126.64,48.03 125.6,49.07 JP5.1
  Bottom w0.2: JP5.1 125.6,49.07 126.64,48.03 J2.4
Net-(J2-Pin_5): length 8.6
  Top w0.2: JP6.1 128.22,49.95 129.2,48.97 129.2,47.09 J2.5
  Bottom w0.2: J2.5 129.2,47.09 129.2,48.97 128.22,49.95 JP6.1
Net-(J3-Pin_1): length 7.9
  Bottom w0.5: SW23.2 125.5,78.17 123.8,76.47 J3.1
Net-(J4-Pin_1): length 11.1
  Top w0.5: v1(124,79.7) SW24.2 ; v1(120.6,73.52) J4.1
  Bottom w0.5: v1(124,79.7) 124,78.77 120.6,75.37 v1(120.6,73.52)
Net-(L22-DIN): length 43.8
  Top w0.25: L22.3 31.12,64.5 v1(32,65.37) 34.8,62.57 40,62.57 41.15,63.72 51.98,63.72 60.73,72.47 v1(62.2,72.47) 63.08,73.35 L23.1
  Bottom w0.25: v1(62.2,72.47) 62.2,72.37 62.97,71.6 L23.1 ; v1(32,65.37) 31.12,66.25 L22.3
Net-(L22-DOUT): length 31.3
  Top w0.25: L25.3 24.97,47.25 v1(24.1,46.37) 23.4,46.37 22.9,46.87 v1(22.9,47.52) ; L22.1 24.97,66.25 v1(24.1,65.37)
  Bottom w0.25: v1(22.9,47.52) 24.9,49.52 24.9,53.67 23.9,54.67 23.9,57.37 21.7,59.57 21.7,62.97 v1(24.1,65.37) 24.97,64.5 L22.1 ; L25.3 24.97,45.5 v1(24.1,46.37)
Net-(L23-DIN): length 41.5
  Top w0.25: L23.3 69.03,71.6 v1(69.9,72.47) 75.3,72.47 77.6,70.17 88.5,70.17 92.4,66.27 98.8,66.27 v1(100.2,67.67) 101.07,68.55 L24.1
  Bottom w0.25: L23.3 69.03,73.35 v1(69.9,72.47) ; L24.1 101.07,66.8 v1(100.2,67.67)
Net-(L25-DOUT): length 52.5
  Top w0.25: L26.3 66.97,33.95 v1(66.1,33.07) 38.5,33.07 v1(37.9,33.67) ; v1(36.4,43.17) 33.2,46.37 v1(31.7,46.37) 30.83,45.5 L25.1
  Bottom w0.25: L25.1 30.83,47.25 v1(31.7,46.37) ; L26.3 66.97,32.2 v1(66.1,33.07) ; v1(36.4,43.17) 37.9,41.67 v1(37.9,33.67)
Net-(L26-DOUT): length 43.2
  Top w0.25: L26.1 73.22,32.2 v1(74.1,33.07) 75.4,31.77 82.2,31.77 84.3,29.67 104,29.67 v1(106.3,27.37) 107.18,28.25 L27.3
  Bottom w0.25: v1(74.1,33.07) 73.22,33.95 L26.1 ; L27.3 107.18,26.5 v1(106.3,27.37)
unconnected-(J1-PadA): length 2.5
  Top w0.5: J1.A J1.A
unconnected-(U1-B2-Pad14): length 16.1
  Top w0.25: U1.14 118.03,55.2 120,57.17 127.25,57.17 v1(128.6,55.82)
  Bottom w0.25: U1.14 130.49,53.93 v1(128.6,55.82)
unconnected-(U1-B5-Pad12): length 19.5
  Top w0.25: U1.12 129.11,52.66 126.2,55.57 121.9,55.57 117.72,51.39 U1.12
unconnected-(U1-B6-Pad13): length 17.7
  Top w0.25: v1(129.3,53.87) 128.6,53.87 126.3,56.17 121.3,56.17 117.79,52.66 U1.13
  Bottom w0.25: v1(129.3,53.87) 129.3,53.27 131.1,51.47 U1.13

## Copper pours and planes (outline as drawn; the poured copper is in the pictures)
GND on Top, Bottom: 113,84.47 113,86.67 94,86.67 94,89.17 75,89.17 75,91.47 57,91.47 57,89.17 37.8,89.17 37.9,84.47 -0.3,84.37 -0.1,27.67 55.6,28.17 66.4,13.27 103.7,7.87 119.5,-1.33 133.8,24.27 133.8,84.47
GND on Bottom: 113,84.47 113,86.67 94,86.67 94,89.17 75,89.17 75,91.47 57,91.47 57,89.17 37.8,89.17 37.9,84.47 -0.3,84.37 -0.1,27.67 55.6,28.17 66.6,13.37 103.8,7.77 119.5,-1.23 133.8,24.07 133.8,84.47

## Text on the board
B.Silkscreen: Modified by Tim Lauber | +
F.Silkscreen: + | Corne Chocolate / Original PCB designed by foostan | TRRS
